# Altium PCB Gesturelink V1.PcbDoc (part 3 of 9) (continued)
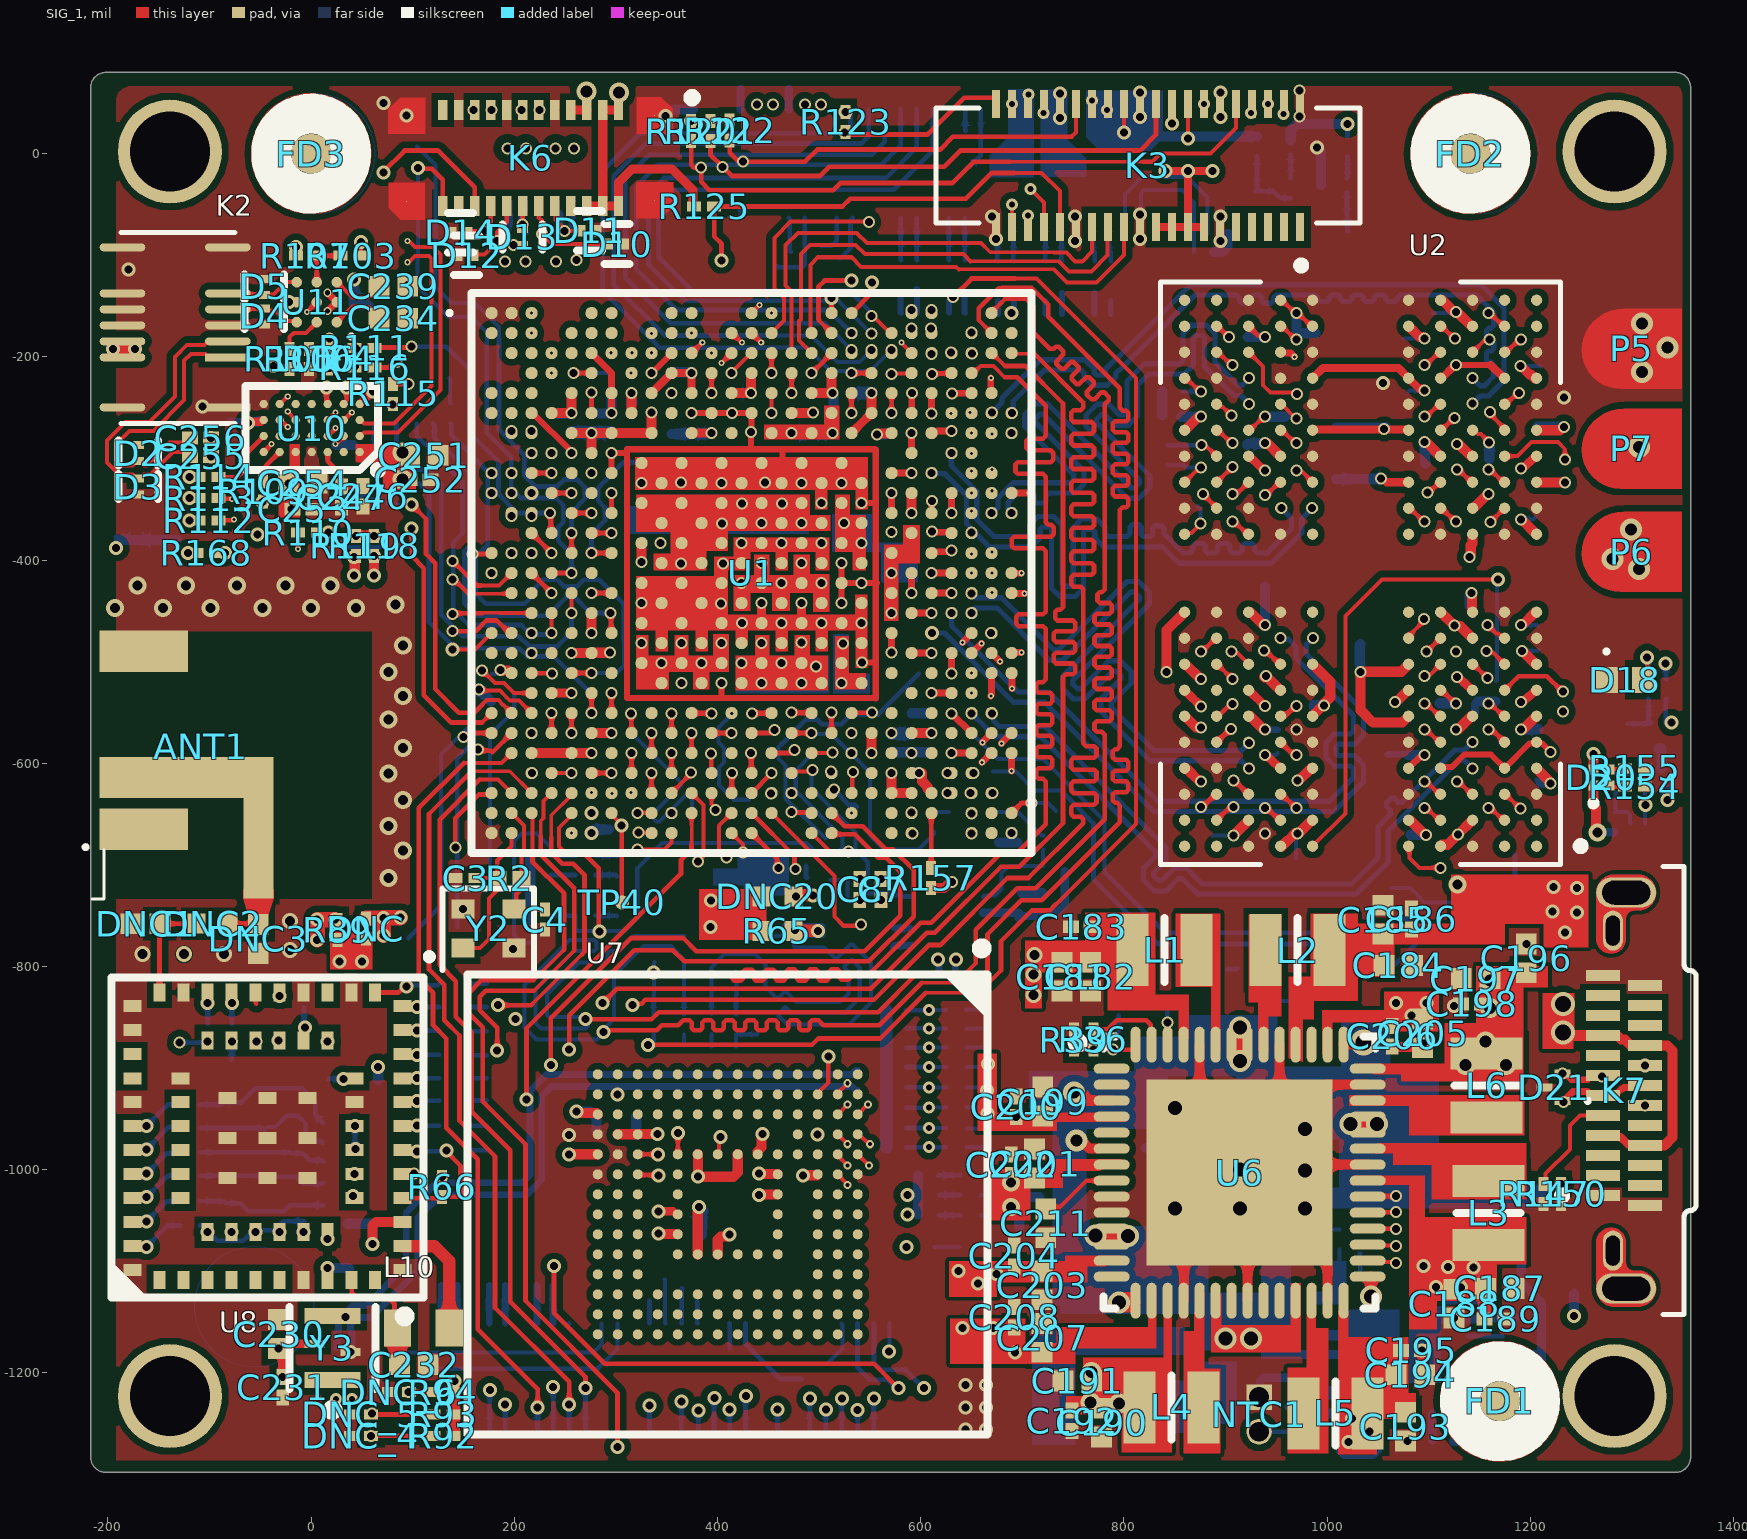
[diagram p0: SIG_1 view]
## Via types (continued)
v58: diameter 11.81, hole 7.87, PWR_2 to SIG_4, 2 vias
v59: diameter 13.78, hole 7.87, HI_SPEED_SIG_1 to SIG_4, 2 vias
v60: diameter 8, hole 5, GND_1 to HI_SPEED_SIG_1, 2 vias
v61: diameter 19.68, hole 11.81, SIG_1 to PWR_2, 2 vias
v62: diameter 6, hole 3, HI_SPEED_SIG_1 to HI_SPEED_SIG_2, 2 vias
v63: diameter 11.81, hole 7.87, SIG_2 to SIG_4, 2 vias
v64: diameter 11.81, hole 7.87, GND to SIG_4, 1 vias
v65: diameter 23.62, hole 15.75, PWR_1 to SIG_4, 1 vias
v66: diameter 11.81, hole 7.87, HI_SPEED_SIG_2 to SIG_2, 1 vias
v67: diameter 25.59, hole 15.75, SIG_1 to SIG_4, 1 vias
v68: diameter 21.65, hole 13.78, SIG_1 to PWR_2, 1 vias
v69: diameter 11.81, hole 5.91, PWR_2 to SIG_4, 1 vias
v70: diameter 11.81, hole 7.87, HI_SPEED_SIG_1 to SIG_2, 1 vias
v71: diameter 11.81, hole 7.87, SIG_1 to PWR_1, 1 vias

## Nets (pads, with @x,y where several pads share a name; then routed paths per layer and width w, separated by ;. In a path a pad name is that pad's centre, name@x,y a point inside that pad or via, vN(x,y) a via of type N, cw(c..) or ccw(c..) an arc to the next point about the centre after c; other vN are vias at no path point)
1V2_CODEC: C203.2 C204.2 C251.2 C252.2 U6.13 U10.A1
  other v17: 656.58,-1112.05 674.57,-1102.51 637,-1100.03
  other v61: 90,-320.99 89.96,-293.99
3V3_IMU: C201.2 C202.2 K3.14 K3.16 K3.18 K3.20 U6.7 | length 148.6
  SIG_1 w8: K3.20@831.5,-72.31 K3.18@847.25,-72.31 K3.16@863,-72.31 ; v17(841,-16.99) v17(863,-16.99) ; K3.14@878.75,-72.31 K3.16@863,-72.31 ; v17(887,-16.99) v17(863,-16.99) ; K3.16@863,-72.31 v17(863,-16.99)
  other v56: 689,-1036.99 689,-1012.46
/NJRST: K4.26 U1.AF3 | length 782.8
  SIG_1 w3.6: 217.88,-689.99 217.88,-650.39 U1.AF3@218.07,-650.19 ; 218.92,-813.67 248.68,-783.91
  SIG_1 w4.58: U1.AF3@216.94,-649.06 U1.AF3@218.07,-650.19 ; 218.92,-813.67 167.59,-813.67 154,-827.25 154,-844.99 169,-859.99 169,-932.99 211,-974.99 211,-1128.99 301.48,-1219.47 v2(301.48,-1272.94) ; 248.68,-783.91 249,-783.58 249,-759.29
  SIG_1 w4.67: 217.88,-689.99 217.88,-696.97 249,-728.09 249,-759.29
  SIG_4 w4.58: v2(301.48,-1272.94) K4.26@301.48,-1257.99
/NRST: R29.2 R31.1 R131.1 U1.AE1 | length 2324
  SIG_1 w4.58: v9(142.22,-682.99) 142,-682.77 142,-653.99 165.16,-630.83 176.11,-630.83 U1.AE1@177.57,-629.37
  SIG_2 w4.67: v9(142.22,-682.99) 142.22,-698.21 169,-724.99 169,-749.99 223,-803.99 269,-803.99 299,-773.99 363,-773.99 384,-794.99 384,-879.99 460,-955.99 460,-1040.99 524,-1104.99 599,-1104.99 614,-1089.99 614,-1076.31 v7(613.69,-1075.99) ; v8(889,-961.99) 890,-962.99 890,-1025.99 v8(891,-1026.99)
  SIG_3 w4.63: v7(613.69,-1075.99) 613.69,-1105.83 631.84,-1123.99 728,-1123.99 757,-1094.99 847,-1094.99 891,-1050.99 v8(891,-1026.99) ; v8(889,-961.99) 889,-869.99 875,-855.99 875,-801.99 1010,-666.99 1010,-99.99 983.83,-73.82 983.83,-61.1 v12(982.72,-59.99)
  SIG_4 w4: v7(613.69,-1075.99) R31.1@638.16,-1075.99
/NRSTC1MS: R35.1 R38.1 U1.W3 | length 998.5
  SIG_1 w4.58: U1.W3@216.94,-511.26 217.13,-511.45 236.76,-511.45 v1(236.95,-511.64)
  SIG_2 w4.67: v8(204,-739.99) 205.74,-738.25 205.74,-726.25 210,-721.99 239,-721.99 242,-724.99 349,-724.99 400,-673.99 434,-673.99 479,-718.99 529,-718.99 546,-735.99 590,-735.99 598,-743.99 665,-743.99 690,-768.99 784.16,-768.99 v63(825.16,-809.99) ; v8(204,-665.99) 204,-544.59 v1(236.95,-511.64)
  SIG_3 w4.63: v8(204,-739.99) v8(204,-665.99)
  SIG_4 w4.58: R35.1@825.16,-831.99 v63(825.16,-809.99)
/PD_CODEC: R116.2 U1.AE9 | length 740.8
  SIG_1 w4.63: R116.2@62.58,-210.5 76.55,-210.5 82.06,-204.99 v1(84,-204.99) ; U1.AE9@335.05,-629.37 v1(335.05,-609.69)
  HI_SPEED_SIG_1 w4: 108,-383.99 133,-358.99
  HI_SPEED_SIG_1 w4.63: v1(84,-204.99) 97,-204.99 109,-216.99 109,-262.99 98,-273.99 79,-273.99 65,-287.99 65,-335.99 86.15,-357.15 86.15,-378.15 92,-383.99 108,-383.99 ; 133,-358.99 173.97,-358.99 185,-370.02 232.14,-370.02 275.1,-412.99 295,-412.99 306.53,-424.52 306.53,-522.52 348.27,-564.26 348.27,-576.73 335.05,-589.95 v1(335.05,-609.69)
AIN0_N: C255.1 U10.D6 | length 187.7
  SIG_1 w3.94: U10.D6@-31,-246.5 -30.75,-246.5 -23.25,-238.99 v4(-23,-238.99)
  HI_SPEED_SIG_1 w3.94: v25(-98.68,-297.99) -101.35,-297.99 -105.88,-293.46 -119.86,-293.46 -127.41,-285.92 -127.41,-253.4 -116.03,-242.02 -26.34,-242.02 -23.31,-238.99 v4(-23,-238.99)
  other v3: -23,-238.99
AIN0_P: C256.1 U10.C5 | length 158.4
  SIG_1 w3.94: v3(-23,-253.99) -23,-254.24 -15.25,-261.99 U10.C5@-15.25,-262.24
  HI_SPEED_SIG_1 w3.94: v25(-98.76,-279.99) -101.43,-279.99 -105.96,-284.52 -116.16,-284.52 -118.47,-282.22 -118.47,-257.1 -112.33,-250.96 -26.34,-250.96 -23.31,-253.99 v3(-23,-253.99)
  other v4: -23,-253.99
ANT: ANT1.1 DNC2.2 DNC3.2 | length 29.6
  SIG_1 w4.67: DNC2.2@-81.25,-757.99 -52.83,-757.99 DNC3.2@-52,-758.82
BAT_PACK_IN: D17.2 D20.4 F2.1 P6.1 | length 15.3
  SIG_1 w4: v2(1261.97,-590.88) v2@1262.05,-590.96 ; D20.4@1262.05,-606.04 D20.4@1262.13,-606.12
  SIG_1 w10: D20.4@1262.05,-606.04 v2@1262.05,-590.96
  other v30: 1307,-408.99 1281.11,-398.83 1299.01,-370.08
BB_GPIO_EXTENDER_IRQ: K4.23 U1.C14 | length 1601.4
  SIG_1 w4: v9(413.79,-215.98) 413.79,-215.45 U1.C14@432.94,-196.3
  HI_SPEED_SIG_2 w4.67: v20(81,-1179.99) 61.5,-1160.49 -7.5,-1160.49 -57,-1110.99 -57,-1025.99 32,-936.99 60,-936.99 83,-913.99 83,-857.99 76,-850.99 76,-813.99 101,-788.99 101,-782.99 133,-750.99 133,-737.54 224.45,-646.1 v34(257.86,-646.1)
  SIG_2 w4.67: v34(257.86,-646.1) 257.86,-621.85 242,-605.99 242,-564.69 269.05,-537.64 269.05,-525.46 262.75,-519.17 262.75,-503.15 288.73,-477.17 288.73,-465 281.57,-457.84 281.57,-445.67 289.23,-438 289.23,-387.67 282.44,-380.87 282.44,-367.02 289.23,-360.22 289.23,-348.3 289,-348.06 289,-347.99 282.44,-341.43 282.44,-328.61 395.06,-215.98 v9(413.79,-215.98)
  SIG_4 w4: v20(81,-1179.99) 278,-1179.99 285.73,-1172.26 K4.23@285.73,-1151.3
BB_GPIO_EXTENDER_R: K4.25 U1.E15 | length 1647.7
  SIG_1 w4: v1(453.16,-255.35) U1.E15@453.16,-235.67
  HI_SPEED_SIG_2 w4.67: v20@115,-1197 77.01,-1197 52,-1171.99 -14,-1171.99 -71,-1114.99 -71,-1018.99 23,-924.99 37.27,-924.99 50,-912.26 50,-822.99 89,-783.99 89,-773.99 117,-745.99 117,-731.99 217.12,-631.87 269.42,-631.87 276.53,-638.99 v34(279,-638.99)
  SIG_2 w4.67: v34(279,-638.99) 277.26,-637.25 277.26,-607.46 289.23,-595.48 289.23,-582.4 282.94,-576.11 282.94,-563.02 289.21,-556.75 289.21,-544.18 282.44,-537.41 282.44,-525.46 310,-497.9 310,-356.73 312.73,-353.99 313.48,-353.99 361,-306.48 361,-290.13 408.51,-242.61 421.93,-242.61 434.67,-255.35 v1(453.16,-255.35)
  SIG_4 w4: v20(115,-1196.01) 281.98,-1196.01 301.48,-1176.51 K4.25@301.48,-1151.3
BKUP_IRQ_CODEC: R109.1 U1.AD10 | length 817.2
  SIG_1 w4.63: v21(-48,-342.99) R109.1@-47.26,-343.73 ; U1.AD10@354.73,-609.68 v1(354.73,-590)
  SIG_2 w4.67: v21(-48,-342.99) -47.11,-343.88 -47.11,-356.88 -15,-388.99 93,-388.99 117,-412.99 117,-616.99 193.39,-693.38 346.61,-693.38 382,-657.99 382,-635.99 360.73,-614.72 360.73,-604.99 361,-604.72 361,-598.2 354.73,-591.93 v1(354.73,-590)
BOOT0: K5.10 U1.Y3 | length 656.9
  SIG_1 w3.94: v9(168,-508.99) 168.74,-508.99 180.99,-521.24 189.48,-521.24 ; 189.64,-521.08 199.5,-530.94 U1.Y3@216.94,-530.94
  SIG_2 w4.67: v9(168,-508.99) 168,-507.96 190,-485.96 190,-402.99 185,-397.99 185,-380.99 219,-346.99 219,-302.99 230,-291.99 230,-263.99 332,-161.99 381,-161.99 439.46,-103.53 439.46,-55.42 v18(439.38,-55.34)
BOOT1: K5.8 U1.AA3 | length 712.4
  SIG_1 w3.94: v9(165.24,-527.57) 166.34,-528.67 185.68,-528.67 192.1,-535.1 192.23,-535.1 195.52,-538.38 204.69,-538.38 U1.AA3@216.94,-550.63
  SIG_2 w4.67: v9(165.24,-527.57) 154.76,-517.09 154.76,-503.51 176,-482.27 176,-439.99 159,-422.99 159,-392.99 208,-343.99 208,-297.99 220,-285.99 220,-234.99 273,-181.99 298,-181.99 329,-150.99 375.99,-150.99 423.21,-103.77 423.21,-56.58 v18(422.58,-55.95)
  SIG_4 w4.58: v18(422.58,-55.95) 422.9,-56.26 K5.8@422.9,-63.34
BOOT2: K5.4 U1.AB1 | length 708
  SIG_1 w4.58: v9(150,-573.99) 151.96,-573.99 155.64,-570.31 U1.AB1@177.57,-570.31
  SIG_2 w4.67: v9(150,-573.99) 137,-560.99 137,-491.72 155.36,-473.35 155.36,-451.35 139,-434.99 139,-381.99 187,-333.99 187,-288.99 198,-277.99 198,-223.99 261,-160.99 290,-160.99 319,-131.99 365,-131.99 374,-122.99 374,-80.74 v18(391.4,-63.34)
BOOT3: K5.6 U1.AB2 | length 737.2
  SIG_1 w4.58: v9(164.44,-586.65) 165.42,-587.63 177.21,-587.63 178.57,-588.99 U1.AB2@197.25,-570.31
  SIG_2 w4.67: v9(164.44,-586.65) 165,-586.09 165,-568.99 146.59,-550.58 146.59,-496.4 165,-477.99 165,-444.99 149,-428.99 149,-385.99 198,-336.99 198,-291.99 208,-281.99 208,-229.99 267,-170.99 294,-170.99 324,-140.99 371,-140.99 386,-125.99 386,-85.34 407.15,-64.19 v18(407.15,-63.34)
BT_GPIO_3: R82.1 U1.N1 | length 800.8
  SIG_1 w4.58: v5(158.92,-394.07) 176.65,-394.07 U1.N1@177.57,-393.15
  HI_SPEED_SIG_1 w3.7: 109,-754.99 109,-408.99
  HI_SPEED_SIG_1 w4: 109,-408.99 130.22,-387.77 150.68,-387.77 v5@156.98,-394.07
  HI_SPEED_SIG_1 w4.63: v53(-78,-891.99) -102.7,-891.99 -116.2,-878.48 -116.2,-827.2 -97.75,-808.74 -7.84,-808.74 24.91,-775.99 55,-775.99 65,-785.99 78,-785.99 109,-754.99 ; v5@156.98,-394.07 v5(158.92,-394.07)
  SIG_4 w4.58: v53(-78,-891.99) R82.1@-78,-875.99
CLKIN_CODEC: U10.A7 Y4.3 | length 174.3
  SIG_1 w4.63: U10.A7@-46.75,-293.74 v3(-39,-285.99)
  HI_SPEED_SIG_1 w4.63: -70,-316.99 -77,-323.99 -95,-323.99 -99,-327.99 -99,-362.99 -87,-374.99 v2(-53,-374.99)
  HI_SPEED_SIG_1 w4.67: -70,-316.99 v3(-39,-285.99)
  other v4: -39,-285.99
COMBO_TX_N: C8.1 U1.AD24 | length 177.6
  HI_SPEED_SIG_2 w4.3: v10(540,-713.99) 540,-712.58 545.85,-706.73 545.85,-631.02 553.82,-623.05 606.41,-623.05 612.8,-616.66 619.27,-616.66 626.93,-608.99 v1@628.96,-608.99
  other v1: 626.49,-609.68
COMBO_TX_P: C7.1 U1.AE24 | length 158
  HI_SPEED_SIG_2 w4.3: v10(561,-713.99) 561,-712.58 555.15,-706.73 555.15,-634.87 557.67,-632.35 610.26,-632.35 616.65,-625.96 621.05,-625.96 624.46,-629.37 v1(626.49,-629.37)
CSI_CK_N: K5.17 U1.D4 | length 671.3
  HI_SPEED_SIG_1 w3.68: v4(236.62,-215.98) 231.12,-210.48 209.22,-210.48 115,-116.27 115,-53.72 148.73,-19.99 260,-19.99 343.59,63.6 348.68,68.69 479.59,68.69 481.46,68.69 501.64,48.51 v1(501.64,48.35)
  other v3: 236.62,-215.98
CSI_CK_P: K5.15 U1.C4 | length 624.2
  HI_SPEED_SIG_1 w3.68: v4(236.62,-196.3) 231.12,-201.8 212.81,-201.8 178,-166.99 174.93,-163.92 123.68,-112.67 123.68,-57.31 152.32,-28.67 263.59,-28.67 352.27,60.01 476,60.01 485.89,50.12 v1(485.89,48.35)
  other v3: 236.62,-196.3
CSI_D0_N: K5.11 U1.A3 | length 487.8
  HI_SPEED_SIG_1 w3.68: v4(216.94,-156.93) 211.43,-162.43 205.44,-162.43 182,-138.99 151,-107.99 151,-69.99 165,-55.99 318,-55.99 323.08,-50.91 384,10.01 427.27,10.01 454.2,36.93 454.2,48.16 v1(454.39,48.35)
  other v3: 216.94,-156.93
CSI_D0_P: K5.9 U1.B3 | length 499.5
  HI_SPEED_SIG_1 w3.68: v4(216.94,-176.61) 211.43,-171.11 201.85,-171.11 172.79,-142.06 142.32,-111.59 142.32,-66.4 161.41,-47.31 314.41,-47.31 380.41,18.69 423.68,18.69 439,34.01 439,48 v1(438.65,48.35)
  other v3: 216.94,-176.61
DDR_CA0_A: U1.V24 U2.H2 | length 853.8
  SIG_1 w3.94: v10(1157,-489.51) 1158.51,-491.02 1163.19,-491.02 U2.H2@1174.73,-502.56
  SIG_1 w6.69: v1(630.25,-511.52) U1.V24@630.32,-491.57
  HI_SPEED_SIG_2 w3.71: 682,-519.99 796,-633.99 980,-633.99 993,-620.99 993,-584.99 994.93,-583.07 996.24,-581.76 996.24,-578.44 995.01,-577.22 995.01,-573.91 999.98,-568.94 1003.29,-568.94 1015.14,-580.79 1018.45,-580.79 1023.41,-575.82 1023.41,-572.51 1011.57,-560.66 1011.57,-557.35 1016.54,-552.39 1019.85,-552.39 1031.97,-564.51 1035.29,-564.51 1040.25,-559.55 1040.25,-556.24 1028.12,-544.11 1028.12,-540.8 1033.09,-535.83 1036.4,-535.83 1044.78,-544.2 1048.09,-544.2 1053.05,-539.24 1053.05,-535.92 1044.68,-527.55 1044.68,-524.24 1049.65,-519.27 1052.96,-519.27 1059.99,-526.31 1063.3,-526.31 1068.27,-521.34 1068.27,-518.03 1061.24,-511 1061.24,-507.68 1066.2,-502.72 1069.51,-502.72 1070.74,-503.94 1074.05,-503.94 1079.85,-498.14 1080,-497.99 1080,-484.99 1088,-476.99 1144.48,-476.99 v10(1157,-489.51)
  HI_SPEED_SIG_2 w3.75: v1(630.25,-511.52) 632.44,-511.52 638.9,-517.99 680,-517.99 682,-519.99
DDR_CA0_B: U1.M24 U2.R2 | length 902.3
  SIG_1 w3.94: v10(1159,-310.99) 1160.65,-310.99 1173.08,-323.43 U2.R2@1174.73,-323.43
  SIG_1 w6.69: v1(610.99,-371.99) 611.73,-372.73 U1.M24@629.59,-372.73
  HI_SPEED_SIG_2 w3.71: 578.13,-227.85 578.13,-243.49 584.51,-249.87 584.51,-260.84 577.71,-267.63 577.71,-319.89 584.51,-326.69 584.51,-339.58 577.71,-346.37 577.71,-359.26 580,-361.55 580,-361.99 590,-371.99 v1(610.99,-371.99) ; 706,-185.96 886.97,-185.96 907.52,-206.51 959.52,-206.51 984,-230.99 ; 1114.76,-316.48 1125.28,-326.99 1135,-326.99 1149.63,-312.36 1157.63,-312.36 v10(1159,-310.99)
  HI_SPEED_SIG_2 w3.75: 578.13,-227.85 582.04,-223.94 597.95,-223.94 609,-234.99 656.97,-234.99 706,-185.96 ; 984,-230.99 984,-245.99 1042,-303.99 1102.28,-303.99 1114.76,-316.48
DDR_CA1_A: U1.P22 U2.J2 | length 912
  SIG_1 w3.94: v10(1158,-463.99) 1166.35,-472.34 1168.19,-472.34 1172.81,-476.97 U2.J2@1174.73,-476.97
  SIG_1 w6.69: v1(590.95,-432.52) U1.P22@590.95,-412.83
  HI_SPEED_SIG_2 w3.71: v1(590.95,-432.52) 590.95,-413.8 605.15,-399.59 619.6,-399.59 633,-412.99 666.16,-412.99 ; 816,-500.99 864,-452.99 907,-452.99 923,-436.99 990,-436.99 1012,-458.99 1060.76,-458.99 1075.76,-443.99 1117,-443.99 ; 1147.5,-463.99 v10(1158,-463.99)
  HI_SPEED_SIG_2 w3.75: 666.16,-412.99 670,-412.99 760.72,-503.71 762.6,-505.59 765.7,-505.59 767.89,-503.39 767.89,-500.87 769.84,-498.92 775.69,-498.92 777.64,-500.87 777.64,-549.1 779.59,-551.04 785.44,-551.04 787.39,-549.1 787.39,-500.87 789.34,-498.92 795.19,-498.92 797.13,-500.87 797.13,-542.68 799.08,-544.63 804.93,-544.63 806.88,-542.68 806.88,-510.11 815.89,-501.11 816,-500.99 ; 1117,-443.99 1127.5,-443.99 1147.5,-463.99
DDR_CA1_B: U1.N23 U2.P2 | length 856.7
  SIG_1 w3.94: v10(1160.88,-362.47) 1161.08,-362.47 1174.54,-349.02 U2.P2@1174.73,-349.02
  SIG_1 w6.69: U1.N23@610.64,-393.15 611.84,-391.95 629.08,-391.95 v1(630.28,-390.75)
  HI_SPEED_SIG_2 w3.71: v1(630.28,-390.75) 642.52,-402.99 677,-402.99 765,-490.99 788.19,-490.99 788.89,-490.29 790.7,-490.29 795.03,-485.96 796.34,-484.65 796.34,-480.77 788.82,-473.25 788.82,-469.37 794.63,-463.55 798.51,-463.55 816.94,-481.98 820.82,-481.98 826.63,-476.17 826.63,-472.29 808.2,-453.86 808.2,-449.98 814.02,-444.17 817.89,-444.17 836.32,-462.6 840.2,-462.6 846.02,-456.78 846.02,-452.91 838.99,-445.88 838.99,-442 844.94,-436.05 846,-434.99 854.01,-434.99 855.86,-434.99 858.6,-432.25 858.6,-424.94 861.34,-422.2 869.57,-422.2 872.31,-424.94 872.31,-442.9 875.05,-445.64 883.27,-445.64 886.02,-442.9 886.02,-432.25 888.76,-429.51 896.98,-429.51 899.72,-432.25 902.46,-434.99 907,-434.99 917,-424.99 995,-424.99 1015,-444.99 1051,-444.99 1064,-431.99 1114,-431.99 1136.74,-409.25 1147.52,-409.25
  HI_SPEED_SIG_2 w3.75: 1147.52,-409.25 1160.88,-395.89 v10(1160.88,-362.47)
DDR_CA2_A: U1.V22 U2.H9 | length 862.7
  SIG_1 w4.58: v10(938,-488.99) 939.35,-488.99 952.91,-502.56 U2.H9@954.26,-502.56
  SIG_1 w6.69: U1.V22@590.95,-491.57 v1(610.64,-491.58)
  HI_SPEED_SIG_2 w3.71: v1(610.64,-491.58) 624,-491.58 625.85,-491.58 628.2,-489.23 628.2,-464.19 630.54,-461.85 637.56,-461.85 639.9,-464.19 639.9,-500.97 642.24,-503.31 649.27,-503.31 651.61,-500.97 651.61,-482.02 653.95,-479.68 660.98,-479.68 663.32,-482.02 663.32,-501.28 665.66,-503.62 672.68,-503.62 675.02,-501.28 675.02,-482.14 677.36,-479.8 684.39,-479.8 686.73,-482.14 686.73,-489.23 689.07,-491.58 697.58,-491.58 ; 703,-496.99 697.58,-491.58 ; 775.27,-595.26 754.12,-574.11 754,-573.99 754,-568.41 751.83,-566.24 748.01,-566.24 743.9,-562.12 743.9,-559.37 756.72,-546.55 756.72,-543.8 752.6,-539.68 749.86,-539.68 737.03,-552.51 734.29,-552.51 730.17,-548.39 730.17,-545.64 750.23,-525.58 750.23,-522.84 746.11,-518.72 743.37,-518.72 723.3,-538.78 720.56,-538.78 716.44,-534.66 716.44,-531.92 736.5,-511.85 736.5,-509.11 732.38,-504.99 729.64,-504.99 709.58,-525.05 706.83,-525.05 702.71,-520.93 702.71,-518.19 711.92,-508.98 711.92,-505.91 705.05,-499.05 703.74,-497.74 702.96,-496.95 697.58,-491.58 ; 849,-575.99 849,-549.99 867.59,-531.4 882.6,-531.4 892.11,-521.89 892.11,-484.88 900,-476.99 926,-476.99 v10(938,-488.99)
  HI_SPEED_SIG_2 w3.75: 775.27,-595.26 787.27,-595.26 811.19,-595.26 828.18,-612.24 830.93,-612.24 835.07,-608.11 835.07,-605.35 828.91,-599.19 828.91,-596.08 829.73,-595.26 843.68,-581.32 845,-579.99 849,-575.99
DDR_CA2_B: U1.J21 U2.R9 | length 899.2
  SIG_1 w3.94: v10(939,-335.99) 940.35,-335.99 952.91,-323.43 U2.R9@954.26,-323.43
  SIG_1 w6.69: U1.J21@571.27,-314.41 v1(590.95,-314.41)
  HI_SPEED_SIG_2 w3.71: v1(590.95,-314.41) 604.54,-327.99 644,-327.99 ; 717,-351.99 762,-351.99 803,-392.99 1024,-392.99 1030.04,-386.95 1031.9,-385.09 1031.9,-381.22 1029.16,-378.48 949.07,-378.48 946.33,-375.73 946.33,-367.51 949.07,-364.77 1050.68,-364.77 1053.42,-362.03 1053.42,-353.8 1050.68,-351.06 1035.74,-351.06 1033,-348.32 1033,-341.99 1023,-331.99 1011,-331.99 1004.02,-331.99 1001.85,-329.82 1001.85,-313.53 999.91,-311.59 994.08,-311.59 992.14,-313.53 992.14,-329.82 989.97,-331.99 988.11,-331.99 971.76,-331.99 968,-335.75 939.24,-335.75 v10(939,-335.99)
  HI_SPEED_SIG_2 w3.75: 644,-327.99 670,-327.99 681,-338.99 694,-338.99 707,-351.99 717,-351.99
DDR_CA3_A: U1.T22 U2.H10 | length 839.5
  SIG_1 w3.94: v9(906,-489.99) 907.51,-491.5 911.7,-491.5 U2.H10@922.76,-502.56
  SIG_1 w6.69: U1.T22@590.95,-452.2 v1(610.64,-452.21)
  SIG_2 w4.67: v1(610.64,-452.21) 610.64,-433.48 626.13,-417.99 632.37,-417.99 666.71,-417.99 669.44,-420.73 669.44,-427.59 671.58,-429.73 677.98,-429.73 680.11,-427.59 680.11,-420.13 682.24,-417.99 688.65,-417.99 690.78,-420.13 690.78,-427.59 692.91,-429.73 699.31,-429.73 701.45,-427.59 701.45,-420.13 703.58,-417.99 709.98,-417.99 712.12,-420.13 712.12,-441.78 714.25,-443.92 720.65,-443.92 722.78,-441.78 722.78,-420.13 724.92,-417.99 731.32,-417.99 733.45,-420.13 733.45,-450.64 735.59,-452.78 741.99,-452.78 744.12,-450.64 744.12,-420.13 746.26,-417.99 752.66,-417.99 754.79,-420.13 754.79,-450.64 756.92,-452.78 763.32,-452.78 765.46,-450.64 765.46,-420.13 767.59,-417.99 773.99,-417.99 776.13,-420.13 776.13,-450.64 778.26,-452.78 784.66,-452.78 786.8,-450.64 786.8,-420.13 788.93,-417.99 795.33,-417.99 797.46,-420.13 797.46,-432.21 799.6,-434.34 806,-434.34 808.13,-432.21 808.13,-420.73 810.87,-417.99 824,-417.99 834,-417.99 837.41,-421.4 839.06,-423.06 846.61,-430.6 846.61,-434.47 825.23,-455.84 825.23,-458.86 829.76,-463.39 832.78,-463.39 854.58,-441.59 857.59,-441.59 862.12,-446.11 862.12,-449.13 840.32,-470.93 840.32,-473.95 844.85,-478.47 847.86,-478.47 869.66,-456.67 872.68,-456.67 877.21,-461.2 877.21,-464.22 873.72,-467.7 873.72,-470.72 878.25,-475.24 881.27,-475.24 884.33,-472.19 888.19,-472.19 888.35,-472.34 890,-473.99 v9(906,-489.99)
DDR_CA3_B: U1.H22 U2.R10 | length 868.4
  SIG_1 w3.94: v10(907,-334.99) 908.51,-333.49 912.7,-333.49 920.85,-325.34 U2.R10@920.85,-323.43
  SIG_1 w6.69: U1.H22@590.95,-294.72 U1.H22@590.95,-294.72 v1(591.04,-275.18) v1(591.04,-275.18)
  HI_SPEED_SIG_2 w3.71: v1(591.04,-275.18) 627.85,-311.99 656,-311.99 ; 719.37,-335.49 732.67,-335.49 734.52,-335.49 736.86,-333.15 736.86,-316.74 736.86,-300.34 739.2,-297.99 746.23,-297.99 748.57,-300.34 748.57,-342.44 750.91,-344.79 757.93,-344.79 760.27,-342.44 760.27,-300.42 762.61,-298.08 769.64,-298.08 771.98,-300.42 771.98,-349.44 774.32,-351.78 781.34,-351.78 783.68,-349.44 783.68,-300.34 786.03,-297.99 793.05,-297.99 795.39,-300.34 795.39,-372.85 797.73,-375.19 804.76,-375.19 807.1,-372.85 807.1,-320.29 809.44,-317.95 816.46,-317.95 818.8,-320.29 818.8,-378.65 821.14,-380.99 869,-380.99 920,-380.99 931,-369.99 931,-357.99 908,-334.99 v10(907,-334.99)
  HI_SPEED_SIG_2 w3.75: 656,-311.99 668,-311.99 686.3,-330.29 714.17,-330.29 719.37,-335.49
DDR_CA4_A: U1.R23 U2.H11 | length 915.3
  SIG_1 w3.94: U2.H11@891.27,-502.56 891.92,-502.56 906.35,-516.99 v10(907,-516.99)
  SIG_1 w6.69: U1.R23@610.64,-432.52 v1(630.32,-432.52)
  HI_SPEED_SIG_2 w3.71: v1(630.32,-432.52) 640.66,-422.19 663.19,-422.19 766,-524.99 766,-570.99 774,-578.99 ; 829.63,-548.4 829.63,-503.43 868.07,-464.99 912,-464.99 930,-446.99 983,-446.99 1004,-467.99 1004,-472.21 1004,-474.06 1006.74,-476.8 1052.99,-476.8 1055.74,-479.54 1055.74,-487.77 1052.99,-490.51 1006.74,-490.51 1004,-493.25 1004,-499.42 1004,-512.99 986,-530.99 921,-530.99 v10(907,-516.99)
  HI_SPEED_SIG_2 w3.75: 774,-578.99 799.04,-578.99 802.01,-576.02 803.33,-574.7 803.33,-571.59 795.84,-564.1 795.84,-561.34 799.97,-557.21 802.73,-557.21 824.42,-578.9 827.18,-578.9 831.31,-574.76 831.31,-572.01 820.22,-560.91 820.22,-557.81 829.63,-548.4
DDR_CA4_B: U1.F22 U2.R11 | length 760.4
  SIG_1 w3.94: U2.R11@891.27,-323.43 891.7,-323.43 906.57,-308.55 v10(907,-308.55)
  SIG_1 w6.69: U1.F22@590.95,-255.35 591.16,-255.15 591.16,-235.92 v1(591.37,-235.72)
  HI_SPEED_SIG_2 w3.71: 657,-256.99 657,-268.99 689,-300.99 702,-300.99 711,-291.99 711,-239.99 733.24,-217.75 826.14,-217.75 828,-217.75 830.17,-215.58 830.17,-213.14 832.11,-211.2 837.93,-211.2 839.87,-213.14 839.87,-280.06 841.82,-282 847.64,-282 849.58,-280.06 849.58,-219.92 851.75,-217.75 875.36,-217.75 882.72,-217.75 908,-243.03 908,-251.41 908,-253.26 910.17,-255.43 911.94,-255.43 913.89,-257.37 913.89,-263.2 911.94,-265.14 893.7,-265.14 891.76,-267.08 891.76,-272.91 893.7,-274.85 921.28,-274.85 923.23,-276.79 923.23,-282.61 921.28,-284.55 895.41,-284.55 893.47,-286.5 893.47,-292.32 895.41,-294.26 905.83,-294.26 908,-296.43 908,-305.6 908,-307.55 v10(907,-308.55)
  HI_SPEED_SIG_2 w3.75: v1(591.37,-235.72) 592.34,-235.72 600.61,-243.99 644,-243.99 657,-256.99
DDR_CA5_A: U1.P24 U2.J11 | length 812.9
  SIG_1 w3.94: v1(876,-489.99) 877.12,-489.99 890.15,-476.97 U2.J11@891.27,-476.97
  SIG_1 w6.69: v1(610.64,-412.83) U1.P24@630.32,-412.83
  SIG_2 w4.67: v1(610.64,-412.83) 612,-411.47 621.1,-411.47 625.58,-406.99 648,-406.99 650.33,-406.99 653.07,-404.26 653.07,-393.89 655.2,-391.76 661.6,-391.76 663.74,-393.89 663.74,-407.69 665.87,-409.82 672.27,-409.82 674.41,-407.69 674.41,-393.89 676.54,-391.76 682.94,-391.76 685.07,-393.89 685.07,-407.69 687.21,-409.82 693.61,-409.82 695.74,-407.69 695.74,-393.89 697.88,-391.76 704.28,-391.76 706.41,-393.89 706.41,-407.69 708.55,-409.82 714.95,-409.82 717.08,-407.69 717.08,-393.89 719.21,-391.76 725.62,-391.76 727.75,-393.89 727.75,-407.69 729.88,-409.82 736.28,-409.82 738.42,-407.69 738.42,-393.89 740.55,-391.76 746.95,-391.76 749.09,-393.89 749.09,-407.69 751.22,-409.82 757.62,-409.82 759.75,-407.69 759.75,-393.89 761.89,-391.76 768.29,-391.76 770.42,-393.89 770.42,-407.69 772.56,-409.82 778.96,-409.82 781.09,-407.69 781.09,-393.89 783.23,-391.76 789.63,-391.76 791.76,-393.89 791.76,-407.69 793.89,-409.82 800.29,-409.82 802.43,-407.69 802.43,-393.89 804.56,-391.76 810.96,-391.76 813.1,-393.89 813.1,-407.69 815.23,-409.82 821.63,-409.82 823.77,-407.69 823.77,-393.89 825.9,-391.76 832.3,-391.76 834.43,-393.89 834.43,-404.26 837.17,-406.99 848,-406.99 851.39,-410.38 872.5,-431.49 874.15,-433.14 878.02,-433.14 896.49,-414.67 899.51,-414.67 904.04,-419.2 904.04,-422.21 878.41,-447.84 878.41,-450.85 882.94,-455.38 885.96,-455.38 889.24,-452.1 893.11,-452.1 894.25,-453.24 895.9,-454.89 924,-482.99 924,-497.99 909,-512.99 899,-512.99 v1(876,-489.99)
DDR_CA5_B: U1.E23 U2.P11 | length 728
  SIG_1 w3.94: v10(878,-334.99) 878,-335.37 891.27,-348.64 U2.P11@891.27,-349.02
  SIG_1 w6.69: v1(610.64,-255.77) U1.E23@610.64,-235.67
  HI_SPEED_SIG_2 w3.71: v1(610.64,-255.77) 611.05,-255.35 636.36,-255.35 646,-264.99 646,-276.99 689,-319.99 716,-319.99 723,-312.99 723,-246.99 729,-240.99 756,-240.99 757.85,-240.99 760.03,-238.82 760.03,-226.9 761.97,-224.96 767.79,-224.96 769.73,-226.9 769.73,-288.93 771.67,-290.87 777.5,-290.87 779.44,-288.93 779.44,-226.9 781.38,-224.96 787.21,-224.96 789.15,-226.9 789.15,-287.59 791.09,-289.53 796.91,-289.53 798.85,-287.59 798.85,-243.16 801.02,-240.99 810.18,-240.99 811.31,-240.99 ; 829,-277.64 829,-303.99 861,-335.99 877,-335.99 v10(878,-334.99)
  HI_SPEED_SIG_2 w3.75: 811.31,-240.99 829,-258.68 829,-277.64
DDR_CK_A_N: U1.U23 U2.J8 | length 718.4
  SIG_4 w5.12: v6(610.92,-472.08) 611.04,-471.95 623.24,-471.95 691.28,-539.99 721.68,-539.99 829.31,-647.62 1006.48,-647.62 1035.93,-618.16 1035.93,-611.21 1035.93,-601.49 1027,-592.55 1011.12,-592.55 1008.89,-590.33 1008.89,-583.66 1011.12,-581.43 1027,-581.43 1035.93,-572.5 1035.93,-560.99 1035.93,-548.92 1030,-542.99 979.51,-492.5 979.51,-483.34 985.85,-476.99 v1(986,-476.99)
  other v2: 610.92,-472.08
  other v11: 610.92,-472.08
  other v19: 610.92,-472.08
DDR_CK_A_P: U1.T24 U2.J9 | length 701
  SIG_4 w5.12: v11(630.17,-452.33) 630.29,-452.45 630.29,-464.69 695.47,-529.87 725.88,-529.87 833.5,-637.49 1002.29,-637.49 1025.81,-613.97 1025.81,-611.21 1025.81,-605.68 1022.81,-602.68 1006.92,-602.68 998.77,-594.52 998.77,-579.46 1006.92,-571.31 1022.81,-571.31 1025.81,-568.31 1025.81,-560.99 1025.81,-553.12 969.38,-496.69 969.38,-485.47 961.94,-478.03 955.04,-478.03 v1(954,-476.99)
  other v1: 630.17,-452.33
  other v6: 630.17,-452.33
  other v19: 630.17,-452.33